# KiCad board Soldered Inkplate 4 TEMPERA with glass panel.kicad_pcb
title: Soldered Inkplate 4 TEMPERA with glass panel; date: 2023-11-13; rev: V1.2.0.; company: SOLDERED; note: 333308
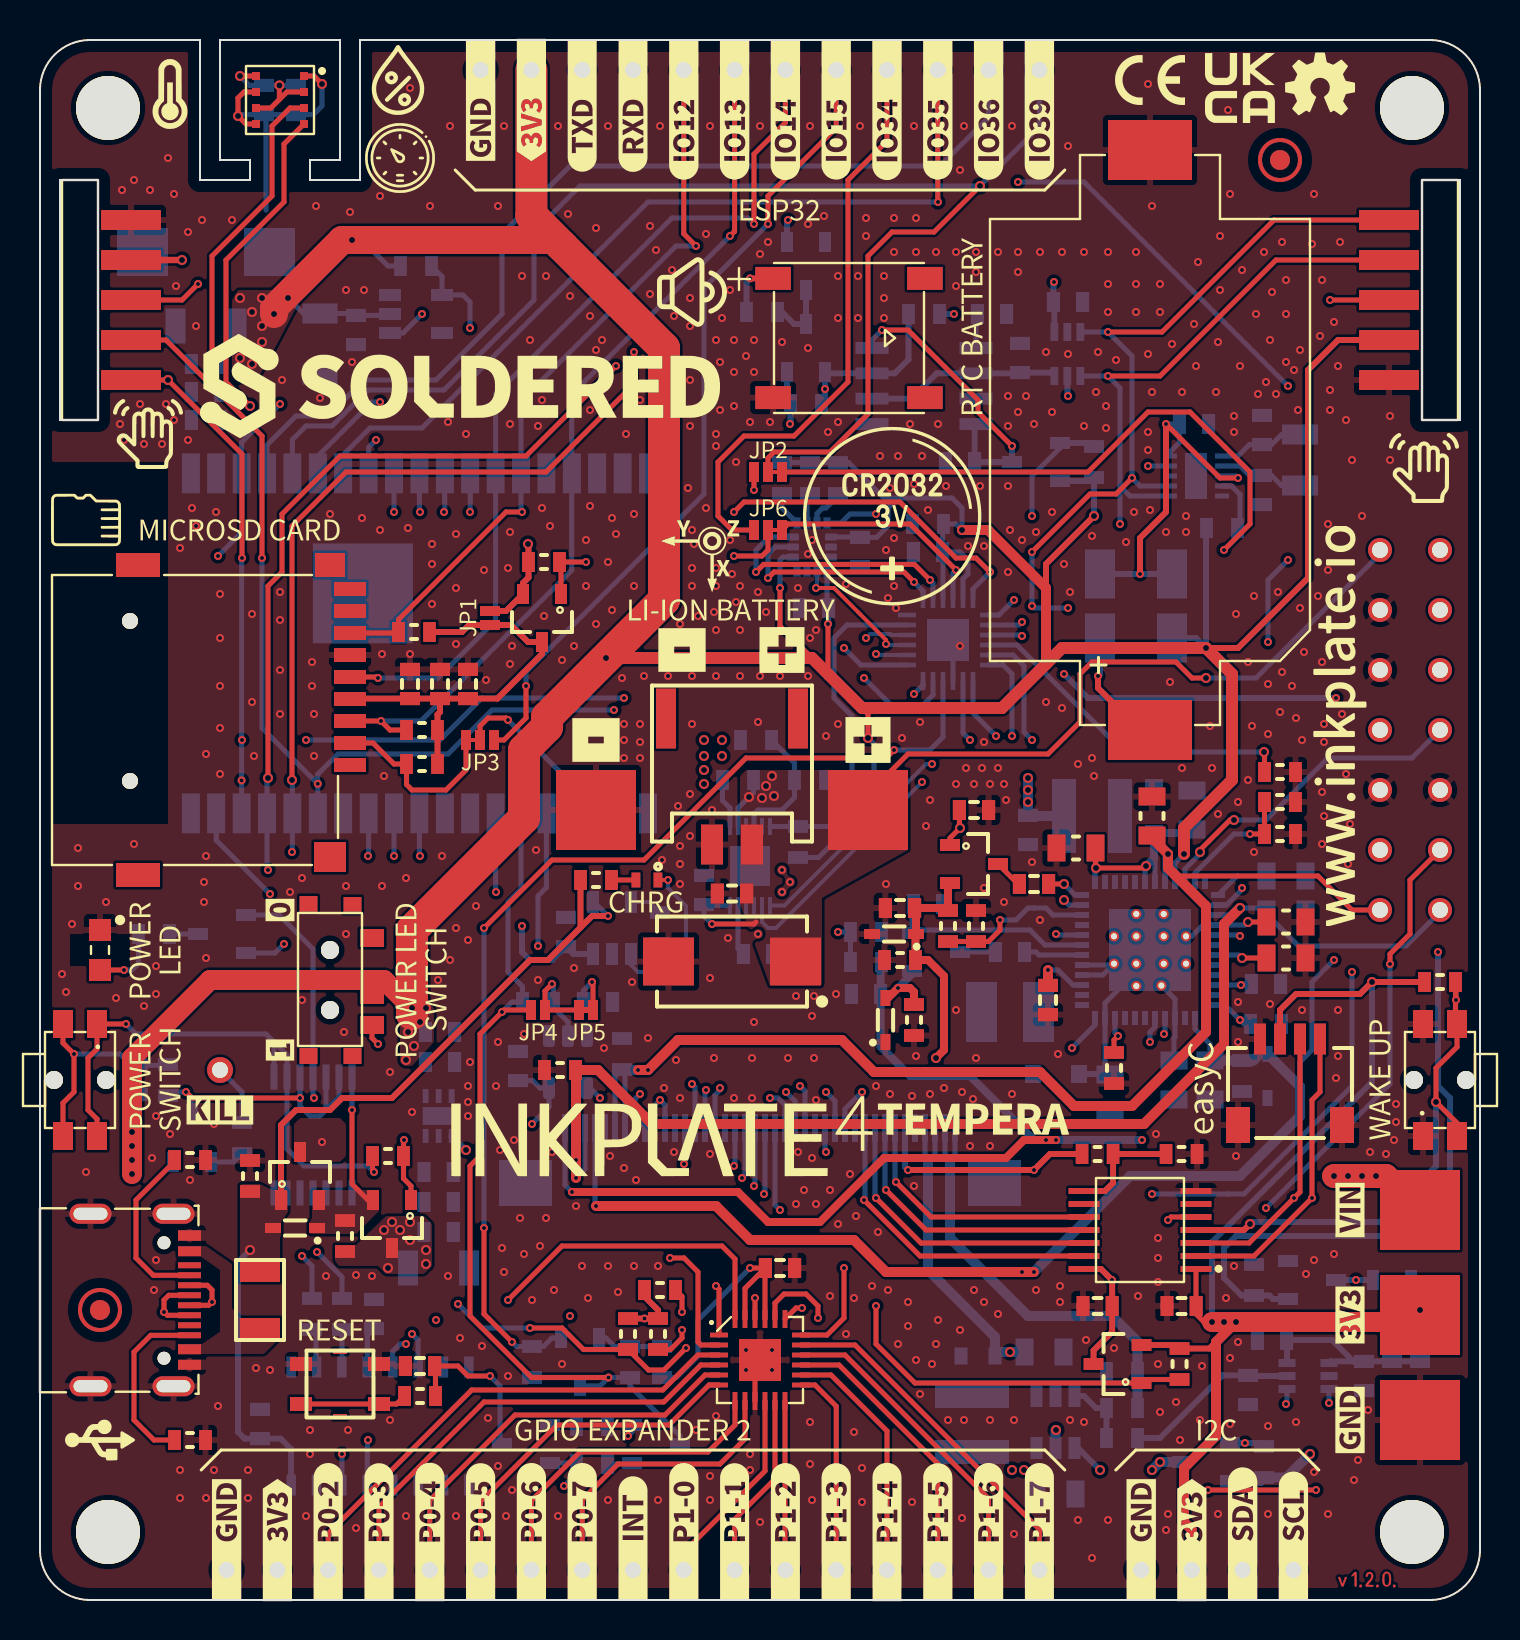
[diagram p0: board, top side]
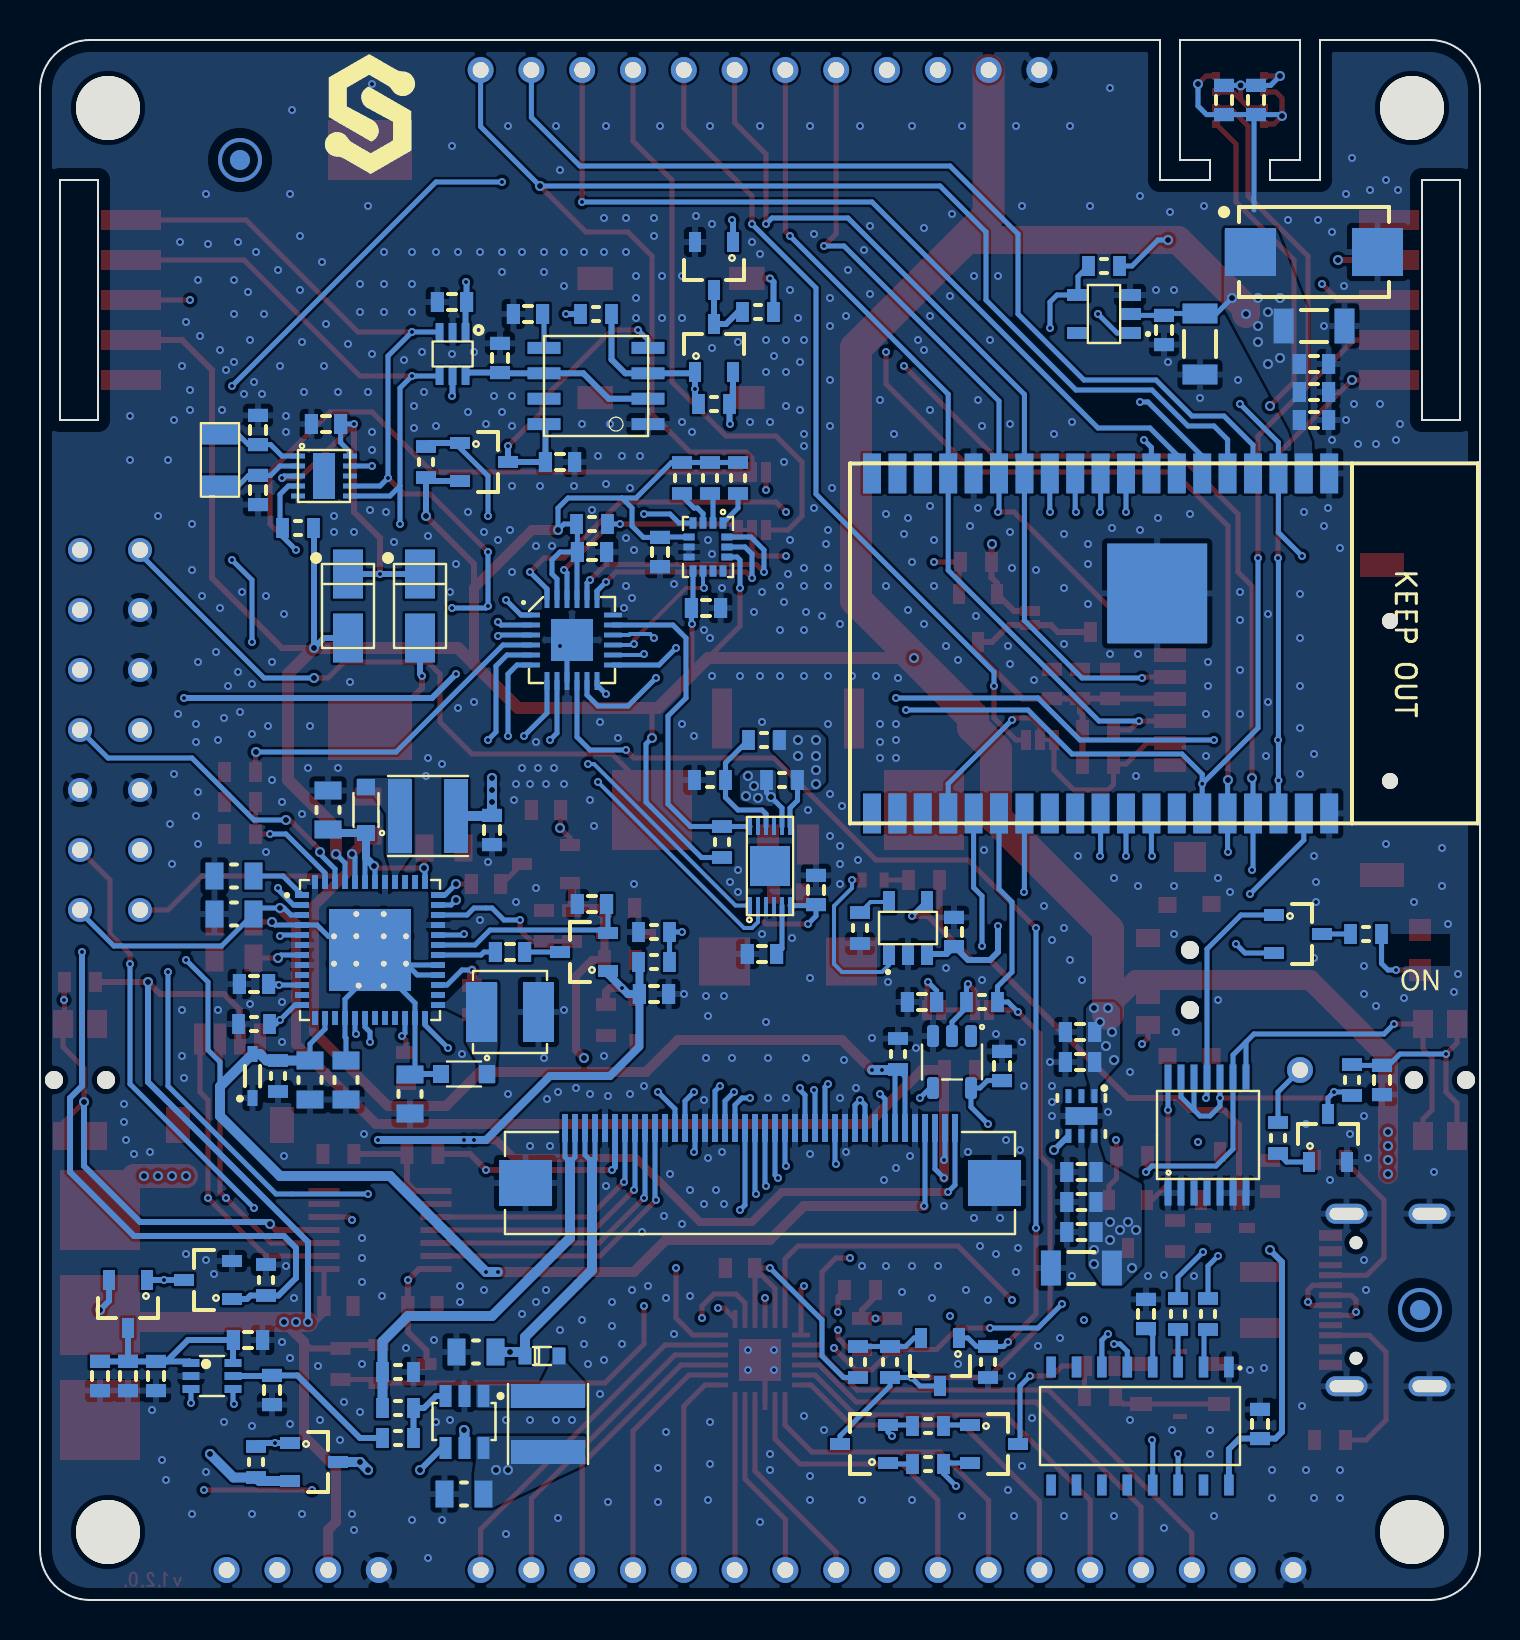
[diagram p1: board, bottom side, seen from below]

Outline 72 x 78 mm; copper layers: Top, In1.Cu, In2.Cu, Bottom. Coordinates in mm from the lower left corner of the outline.
Outline path: 0,75.5 arc(0.73,77.27) 2.5,78 8,78 8,71 10.5,71 10.5,72 9,72 9,78 15,78 15,72 13.5,72 13.5,71 16,71 16,78 69.5,78 arc(71.27,77.27) 72,75.5 72,2.5 arc(71.27,0.73) 69.5,0 2.5,0 arc(0.73,0.73) 0,2.5 0,75.5 ; 1,71 1,59 2.9,59 2.9,71 1,71 ; 69.1,71 71,71 71,59 69.1,59 69.1,71
Stack: Top 0.035mm / dielectric 0.48mm FR4 er 4.5 / In1.Cu 0.035mm / dielectric 0.48mm FR4 er 4.5 / In2.Cu 0.035mm / dielectric 0.48mm FR4 er 4.5 / Bottom 0.035mm

## Placement (name value [footprint] x y rotation side)
C1  4u7-TMK212AB7475KG-T  [0805C]  62.3 36.2 180 bottom
C2  4u7-TMK212AB7475KG-T  [0805C]  62.3 34.3 180 bottom
C3  4u7-TMK212AB7475KG-T  [0805C]  62.3 33.9 180 top
C4  4u7-TMK212AB7475KG-T  [0805C]  62.3 32.1 180 top
C5  4u7-TMK212AB7475KG-T  [0805C]  53.5 25.3 90 bottom
C6  10u-GRM188R61E106KA73J  [0603C]  61.3 30.8 180 bottom
C7  4u7-TMK212AB7475KG-T  [0805C]  58.5 26 90 bottom
C8  4u7-TMK212AB7475KG-T  [0805C]  56.7 26 90 bottom
C9  10u-GRM188R61E106KA73J  [0603C]  50.4 30 90 top
C10  10u-GRM188R61E106KA73J  [0603C]  49.4 38.5 90 bottom
C11  4u7-TMK212AB7475KG-T  [0805C]  57.6 39.5 270 bottom
C12  4u7-TMK212AB7475KG-T  [0805C]  51.8 37.6 0 top
C13  4u7-TMK212AB7475KG-T  [0805C]  55.6 39.2 270 top
C14  2u2-GRM188R61E225MA12D  [0603C]  41.3 30.3 0 bottom
C15  2u2-GRM188R61E225MA12D  [0603C]  43 34.6 0 top
C16  10n-AC0603KRX7R8BB103  [0603C]  48.5 32.4 0 bottom
C17  10n-AC0603KRX7R8BB103  [0603C]  49.7 35.8 180 top
C18  100n-AC0603KRX7R8BB104  [0603C]  44.4 34.8 180 bottom
C19  100n-AC0603KRX7R8BB104  [0603C]  46.7 39.5 180 top
C20  10u  [1206C]  19.93 16.6 180 bottom
C21  2u2  [0603C]  19.93 18.4 180 bottom
C22  100n  [0603C]  19.93 19.9 180 bottom
C23  100n  [0603C]  19.93 21.4 180 bottom
C24  2u2  [0603C]  20 28.4 180 bottom
C25  10u  [1206C]  14 62.8 90 bottom
C26  100n  [0603C]  20 26.9 180 bottom
C27  100n  [0603C]  15.8 63.5 90 bottom
C28  470n  [0603C]  35.9 32.3 0 bottom
C29  1u  [0603C]  33.2 35.5 270 bottom
C30  DNP  [2917C]  34.6 31.92 180 top
C31  2u2  [0603C]  34.6 35.33 0 top
C32  100n  [0603C]  11 8.8 270 bottom
C33  100n  [0603C]  16.7 14.3 270 bottom
C34  2u2  [0603C]  19 11.7 0 top
C35  100n  [0603C]  4.9 26 90 bottom
C36  12p  [0603C]  61.1 58.5 270 bottom
C37  12p  [0603C]  61.1 55.5 90 bottom
C38  100n  [0603C]  57.7 58.8 180 bottom
C39  2u2  [0603C]  21.4 45.8 270 top
C40  100n  [0603C]  20 45.8 270 top
C41  100n  [0603C]  18.5 45.8 270 top
C42  100n  [0603C]  57.08 14.7 0 top
C43  4u7  [0603C]  69 11.2 270 bottom
C44  1u  [0603C]  67.6 11.2 270 bottom
C45  100n  [0603C]  66.2 11.2 270 bottom
C46  100p  [0603C]  27.9 29.9 180 bottom
C47  100n  [0603C]  61.6 13 0 bottom
C48  100n  [0603C]  60.4 10.5 90 bottom
C49  100n  [0603C]  52.88 14.7 180 top
C50  CL21B105KBFNNNG  [0805C]  50.2 12.4 180 bottom
C51  100n  [0603C]  23.9 26.7 270 bottom
C52  CL21B105KBFNNNG  [0805C]  50.8 5.3 180 bottom
C53  100n  [0603C]  44.4 52.4 0 bottom
C54  DNP  [2917C]  8.3 67.4 180 bottom
C55  10u  [1206C]  8.3 63.7 0 bottom
C56  2u2  [0603C]  8.3 61.8 0 bottom
C57  100n  [0603C]  8.3 60.4 0 bottom
C58  100n  [0603C]  8.3 59 0 bottom
C59  100n  [0603C]  37 16.6 180 top
C60  100n  [0603C]  51.4 64.9 180 bottom
C61  100n  [0603C]  41 52.4 90 bottom
C62  100n  [0603C]  49 62.1 270 bottom
C63  100n  [0603C]  38.7 49.6 0 bottom
C64  100n  [0603C]  11.2 75 90 bottom
C65  100n  [0603C]  12.8 75 90 bottom
C66  100n  [0603C]  46 56.9 0 bottom
C67  2u2  [0603C]  26.3 33.4 270 bottom
C68  100n  [0603C]  47.6 64.3 180 bottom
D1  CUS10F30,H3F  [SOD-323-2]  50.8 26.3 0 bottom
D2  CUS10F30,H3F  [SOD-323-2]  55.7 39.5 90 bottom
D3  BAT20J  [SOD-323]  42.7 33.3 180 top
D4  BAT20J  [SOD-323]  61.37 26.2 90 bottom
D5  BAT20J  [SOD-323]  42.27 29 90 top
D6  BAT54S  [SOT-23-3]  44.8 32.4 180 bottom
D7  BAT54S  [SOT-23-3]  46.7 36.8 180 top
D8  RED  [0402LED]  30.34 36 180 top
D9  0603LED_SIDE  [LTST-S270GKT]  3 32.5 90 top
D10  BAT20J  [SOD-323]  12.75 18.6 180 top
D11  -  [M4_DIODA]  56.6 49.7 90 bottom
D12  -  [M4_DIODA]  53 49.7 90 bottom
D13  RB510SM-40FHT2R  [SOD-523]  46.9 12.2 90 bottom
F1  1206FUSE-500mA  [1206FUSE]  11 15 270 top
FD1  FIDUCIAL  [FIDUCIAL_23]  3 14.5 0 top
FD2  FIDUCIAL  [FIDUCIAL_23]  62 72 0 top
FD3  FIDUCIAL  [FIDUCIAL_23]  62 72 180 bottom
FD4  FIDUCIAL  [FIDUCIAL_23]  3 14.5 180 bottom
G***  LOGO  [Symbol-Front-Gesture]  69.2 56.6 0 top
G***#2  LOGO  [Logo-Front-OSH-3.5mm]  64 75.8 0 top
G***#3  LOGO  [Symbol-Front-Temperature]  6.5 75.3 0 top
G***#4  LOGO  [Symbol-Front-Speaker]  32.6 65.4 0 top
G***#5  LOGO  [Symbol-Front-Gesture]  5.4 58.3 0 top
G***#6  LOGO  [Logo-Back-Soldered-6mm]  55.5 74.3 0 top
G***#7  LOGO  [Symbol-Front-Humidity]  17.9 76 0 top
G***#8  LOGO  [Logo-Front-easyC-NewFont]  58.2 25.6 90 top
G***#9  LOGO  [Symbol-Front-USB]  3 8 270 top
G***#10  LOGO  [Symbol-Front-SDcard]  2.3 54 270 top
G***#11  LOGO  [Symbol-front-Pressure]  18 72.1 0 top
H1  -  [HOLE_3.2mm]  3.4 3.4 0 top
H2  -  [HOLE_3.2mm]  3.4 74.6 0 top
H3  -  [HOLE_3.2mm]  68.6 74.6 0 top
H4  -  [HOLE_3.2mm]  68.6 3.4 0 top
JP1  -  [SMD_JUMPER]  22.5 49.1 90 top
JP2  -  [SMD_JUMPER_3_PAD_CONNECTED_RIGHT_TRACE]  36.4 56.4 0 top
JP3  -  [SMD_JUMPER_3_PAD_CONNECTED_LEFT_TRACE]  22 43 0 top
JP4  -  [SMD_JUMPER]  24.9 29.5 0 top
JP5  -  [SMD-JUMPER-CONNECTED_TRACE_SOLDERMASK]  27.3 29.5 0 top
JP6  -  [SMD_JUMPER_3_PAD_CONNECTED_LEFT_TRACE]  36.4 53.5 180 top
K1  Inkplate_TP  [INKPLATE TEST HEADER]  68.5 43.5 180 top
K2  -  [U262-161N-4BVC11]  3 15 90 top
K3  -  [JST-2pin-SMD]  34.6 40.92 0 top
K4  easyC-SMD  [easyC-connector]  62.5 25.9 180 top
K5  -  [HEADER_MALE_1X1_Inkplate]  57.59 1.5 90 top
K6  -  [HEADER_MALE_1X1_Inkplate]  62.67 1.5 90 top
K7  -  [HEADER_MALE_1X1_Inkplate]  60.13 1.5 90 top
K8  -  [HEADER_MALE_1X1_Inkplate]  55.06 1.5 90 top
K9  -  [HEADER_MALE_1X1_Inkplate]  9 26.5 0 top
K10  -  [HYC77-TF09-200]  10 44 270 top
K11  CR2032_BS-6-1  [CR2032-BS-6-1]  55.5 58 270 top
K12  -  [62684-401100AHLF]  36 22 180 bottom
K13  -  [HEADER_MALE_1X1_Inkplate]  24.57 76.5 0 top
K14  -  [HEADER_MALE_1X1_Inkplate]  22.03 76.5 0 top
K15  -  [HEADER_MALE_1X1_Inkplate]  44.89 76.5 0 top
K16  -  [HEADER_MALE_1X1_Inkplate]  27.11 76.5 0 top
K17  -  [HEADER_MALE_1X1_Inkplate]  42.35 76.5 0 top
K18  -  [HEADER_MALE_1X1_Inkplate]  29.65 76.5 0 top
K19  -  [HEADER_MALE_1X1_Inkplate]  37.27 76.5 0 top
K20  -  [HEADER_MALE_1X1_Inkplate]  32.19 76.5 0 top
K21  -  [HEADER_MALE_1X1_Inkplate]  34.73 76.5 0 top
K22  -  [HEADER_MALE_1X1_Inkplate]  11.87 1.5 0 top
K23  -  [HEADER_MALE_1X1_Inkplate]  9.33 1.5 0 top
K24  -  [HEADER_MALE_1X1_Inkplate]  49.97 76.5 0 top
K25  -  [HEADER_MALE_1X1_Inkplate]  47.43 76.5 0 top
K26  -  [HEADER_MALE_1X1_Inkplate]  14.41 1.5 0 top
K27  -  [HEADER_MALE_1X1_Inkplate]  16.95 1.5 0 top
K28  -  [HEADER_MALE_1X1_Inkplate]  19.49 1.5 0 top
K29  -  [HEADER_MALE_1X1_Inkplate]  22.03 1.5 0 top
K30  -  [HEADER_MALE_1X1_Inkplate]  24.57 1.5 0 top
K31  -  [HEADER_MALE_1X1_Inkplate]  27.11 1.5 0 top
K32  -  [HEADER_MALE_1X1_Inkplate]  39.81 76.5 0 top
K33  -  [HEADER_MALE_1X1_Inkplate]  32.19 1.5 0 top
K34  -  [HEADER_MALE_1X1_Inkplate]  34.73 1.5 0 top
K35  -  [HEADER_MALE_1X1_Inkplate]  37.27 1.5 0 top
K36  -  [HEADER_MALE_1X1_Inkplate]  39.81 1.5 0 top
K37  -  [HEADER_MALE_1X1_Inkplate]  42.35 1.5 0 top
K38  -  [HEADER_MALE_1X1_Inkplate]  44.89 1.5 0 top
K39  -  [HEADER_MALE_1X1_Inkplate]  47.43 1.5 0 top
K40  -  [HEADER_MALE_1X1_Inkplate]  49.97 1.5 0 top
K41  -  [HEADER_MALE_1X1_Inkplate]  29.65 1.5 0 top
K42  -  [APDS_connector]  2 65 180 top
K43  -  [APDS_connector]  70 65 0 top
kibuzzard-64512AB1  G***  [kibuzzard-64512AB1]  3 31 180 bottom
kibuzzard-64512B49  G***  [kibuzzard-64512B49]  10 53.5 0 top
kibuzzard-64512B72  G***  [kibuzzard-64512B72]  34.6 49.5 0 top
kibuzzard-64512C11  G***  [kibuzzard-64512C11]  41.4 43 0 top
kibuzzard-64512C11#2  G***  [kibuzzard-64512C11]  37.1 47.5 0 top
kibuzzard-64512D1C  G***  [kibuzzard-64512D1C]  32.1 47.5 0 top
kibuzzard-64512D4A  G***  [kibuzzard-64512D4A]  27.8 43 0 top
kibuzzard-64520B3A  G***  [kibuzzard-64520B3A]  21.4 49.1 90 top
kibuzzard-64520C0D  G***  [kibuzzard-64520C0D]  22 41.9 0 top
kibuzzard-64520C04  G***  [kibuzzard-64520C04]  36.4 57.5 0 top
kibuzzard-64520C4C  G***  [kibuzzard-64520C4C]  36.4 54.6 0 top
kibuzzard-64520C12  G***  [kibuzzard-64520C12]  24.9 28.4 0 top
kibuzzard-64520C17  G***  [kibuzzard-64520C17]  27.3 28.4 0 top
kibuzzard-645123A1  G***  [kibuzzard-645123A1]  27.11 3.4 90 top
kibuzzard-645123AC  G***  [kibuzzard-645123AC]  32.19 3.4 90 top
kibuzzard-645123B6  G***  [kibuzzard-645123B6]  34.73 3.4 90 top
kibuzzard-645123BC  G***  [kibuzzard-645123BC]  37.27 3.4 90 top
kibuzzard-645123C5  G***  [kibuzzard-645123C5]  39.81 3.4 90 top
kibuzzard-645123CE  G***  [kibuzzard-645123CE]  42.35 3.4 90 top
kibuzzard-645123D4  G***  [kibuzzard-645123D4]  44.89 3.4 90 top
kibuzzard-645123DC  G***  [kibuzzard-645123DC]  47.43 3.4 90 top
kibuzzard-645123EA  G***  [kibuzzard-645123EA]  49.97 3.4 90 top
kibuzzard-645124AF  G***  [kibuzzard-645124AF]  60.13 3.3 90 top
kibuzzard-645124B9  G***  [kibuzzard-645124B9]  62.67 3.2 90 top
kibuzzard-645127A4  G***  [kibuzzard-645127A4]  49.97 74.5 90 top
kibuzzard-645128FD  G***  [kibuzzard-645128FD]  9 24.5 0 top
kibuzzard-645131B8  G***  [kibuzzard-645131B8]  18.3 31 90 top
kibuzzard-645131C7  G***  [kibuzzard-645131C7]  19.8 31 90 top
kibuzzard-645131F6  G***  [kibuzzard-645131F6]  12 34.5 90 top
kibuzzard-6451239C  G***  [kibuzzard-6451239C]  24.57 3.4 90 top
kibuzzard-6451240C  G***  [kibuzzard-6451240C]  29.65 3.1 90 top
kibuzzard-6451271A  G***  [kibuzzard-6451271A]  24.57 75 90 top
kibuzzard-6451277D  G***  [kibuzzard-6451277D]  39.81 74.5 90 top
kibuzzard-6451279E  G***  [kibuzzard-6451279E]  47.43 74.5 90 top
kibuzzard-6451295E  G***  [kibuzzard-6451295E]  5 32.5 90 top
kibuzzard-6451296B  G***  [kibuzzard-6451296B]  6.5 32.5 90 top
kibuzzard-6451340C  G***  [kibuzzard-6451340C]  30.3 34.9 0 top
kibuzzard-6451362A  G***  [kibuzzard-6451362A]  65.5 9 90 top
kibuzzard-6452051E  G***  [kibuzzard-6452051E]  58.86 8.5 0 top
kibuzzard-6452052E  G***  [kibuzzard-6452052E]  37 69.5 0 top
kibuzzard-6452053F  G***  [kibuzzard-6452053F]  29.65 8.5 0 top
kibuzzard-64512320  G***  [kibuzzard-64512320]  55.06 3 90 top
kibuzzard-64512320#2  G***  [kibuzzard-64512320]  9.33 3 90 top
kibuzzard-64512330  G***  [kibuzzard-64512330]  57.59 3 90 top
kibuzzard-64512330#2  G***  [kibuzzard-64512330]  11.87 3 90 top
kibuzzard-64512363  G***  [kibuzzard-64512363]  14.41 3.4 90 top
kibuzzard-64512372  G***  [kibuzzard-64512372]  16.95 3.4 90 top
kibuzzard-64512390  G***  [kibuzzard-64512390]  19.49 3.4 90 top
kibuzzard-64512397  G***  [kibuzzard-64512397]  22.03 3.4 90 top
kibuzzard-64512700  G***  [kibuzzard-64512700]  22.03 75 90 top
kibuzzard-64512737  G***  [kibuzzard-64512737]  27.11 74.7 90 top
kibuzzard-64512746  G***  [kibuzzard-64512746]  29.65 74.7 90 top
kibuzzard-64512759  G***  [kibuzzard-64512759]  32.19 74.5 90 top
kibuzzard-64512767  G***  [kibuzzard-64512767]  34.73 74.5 90 top
kibuzzard-64512774  G***  [kibuzzard-64512774]  37.27 74.5 90 top
kibuzzard-64512789  G***  [kibuzzard-64512789]  42.35 74.5 90 top
kibuzzard-64512795  G***  [kibuzzard-64512795]  44.89 74.5 90 top
kibuzzard-64512953  G***  [kibuzzard-64512953]  5 26 90 top
kibuzzard-64512975  G***  [kibuzzard-64512975]  6.5 26 90 top
kibuzzard-64513203  G***  [kibuzzard-64513203]  12 27.5 90 top
kibuzzard-64513277  G***  [kibuzzard-64513277]  46.6 63.7 90 top
kibuzzard-64513453  G***  [kibuzzard-64513453]  15 13.5 0 top
kibuzzard-64513617  G***  [kibuzzard-64513617]  65.5 19.5 90 top
kibuzzard-64513621  G***  [kibuzzard-64513621]  65.5 14.25 90 top
kibuzzard-64513721  G***  [kibuzzard-64513721]  67 26 90 top
L1  LQH44PN4R7MP0L  [1515L]  48.5 29.4 0 bottom
L2  NR4012T2R2M  [NR4012]  52.6 39.2 0 bottom
L3  NR4012T220M  [NR4012]  46.6 8.8 270 bottom
PAD1  -  [PAD_4x4]  41.4 39.5 0 top
PAD2  -  [PAD_4x4]  27.8 39.5 0 top
PAD3  -  [PAD_4x4]  69 19.5 270 top
PAD4  -  [PAD_4x4]  69 14.25 270 top
PAD5  -  [PAD_4x4]  69 9 270 top
Q1  DNP  [SOT-23-3]  27 11.9 90 bottom
Q2  NPN  [SOT-23-3]  24.3 7.8 0 bottom
Q3  NPN  [SOT-23-3]  30.8 7.8 180 bottom
Q4  PMOS  [SOT-23-3]  9.1 33.3 0 bottom
Q5  NPN  [SOT-23-3]  7.6 23.1 270 bottom
Q6  SSM3J358R,LF  [SOT-23-3]  17.6 18.8 90 top
Q7  SSM3J358R,LF  [SOT-23-3]  13 21.2 270 top
Q8  PMOS  [SOT-23-3]  25.1 49.1 90 top
Q9  PMOS  [SOT-23-3]  67.6 14.8 90 bottom
Q10  NMOS  [SOT-23-3]  63.6 16 180 bottom
Q11  PMOS  [SOT-23-3]  53.88 11.8 0 top
Q12  PMOS  [SOT-23-3]  58.3 6.9 0 bottom
Q13  PMOS  [SOT-23-3]  49.8 56.9 0 bottom
Q14  PMOS  [SOT-23-3]  38.3 62.6 270 bottom
Q15  NMOS  [SOT-23-3]  38.3 66.7 90 bottom
R1  10k  [0603R]  30.9 13.3 90 top
R2  10k  [0603R]  29.4 13.3 90 top
R3  100k  [0603R]  62 41.4 0 top
R4  100k  [0603R]  61.3 28.8 0 bottom
R5  100k  [0603R]  53.7 26.6 270 top
R6  4k7  [0603R]  26 26.5 180 top
R7  4k7  [0603R]  29.1 27.3 90 bottom
R8  4k7  [0603R]  43 32 0 top
R9  4k7  [0603R]  60.1 26.2 90 bottom
R10  4k7  [0603R]  43.7 29 90 top
R11  NTC-NCP18XH103F03RB  [0603R]  62 38.3 180 top
R12  43k-RC0603FR-0743KL  [0603R]  62 39.9 180 top
R13  1M  [0603R]  41.3 31.9 0 bottom
R14  52k3-RC0603FR-0752K3L  [0603R]  41.3 33.4 180 bottom
R15  1M  [0603R]  45.4 33.7 90 top
R16  47k5-RC0603FR-0747K5L  [0603R]  46.8 33.7 270 top
R17  5k1  [0603R]  7.5 8 0 top
R18  5k1  [0603R]  7.5 22 0 top
R19  1k  [0603R]  27.8 36 0 top
R20  DNP  [0603R]  24.6 11.9 90 bottom
R21  1k  [0603R]  31.1 11.9 270 bottom
R22  0R  [0603R]  29.5 11.9 90 bottom
R23  2k49  [0603R]  31 33.6 270 bottom
R24  PA0603FRE570R01L  [0603R]  34.9 41 0 bottom
R25  1M8  [0603R]  35.8 43 0 bottom
R26  DNP  [0603R]  37.9 37.9 90 bottom
R27  47k  [0603R]  18.8 66.7 180 bottom
R28  10k  [0603R]  38.5 41 0 bottom
R29  33k  [0603R]  27.6 8.7 0 bottom
R30  33k  [0603R]  27.6 6.8 180 bottom
R31  1k  [0603R]  5.7 33.3 180 bottom
R32  47R  [0603R]  19 10.2 0 top
R33  1k  [0603R]  10.1 23.1 90 bottom
R34  1k  [0603R]  15.1 14.3 90 bottom
R35  1k  [0603R]  13.6 14.3 90 bottom
R36  100k  [0603R]  17.4 22.2 0 top
R37  100k  [0603R]  6.4 26 270 bottom
R38  100k  [0603R]  10.5 21.2 270 top
R39  100k  [0603R]  25.2 51.9 0 top
R40  10k  [0603R]  59.1 53.6 180 bottom
R41  100k  [0603R]  70 30.9 180 top
R42  100k  [0603R]  19.1 41.8 0 top
R43  100k  [0603R]  19.1 43.5 0 top
R44  100k  [0603R]  18.7 48.4 0 top
R45  330R  [0603R]  24.9 29.9 0 bottom
R46  10k  [0603R]  52.88 22.3 180 top
R47  100k  [0603R]  57.08 22.3 0 top
R48  15R  [0603R]  54.1 11.4 0 bottom
R49  5k1  [0603R]  54.1 9.6 180 bottom
R50  47k  [0603R]  54.1 8.1 0 bottom
R51  100k  [0603R]  60.7 16 270 bottom
R52  100k  [0603R]  56.98 11.8 270 top
R53  100k  [0603R]  61.2 6.9 270 bottom
R54  10k  [0603R]  44.4 53.8 180 bottom
R55  10k  [0603R]  31 15.5 0 top
R56  10k  [0603R]  37.1 56.1 270 bottom
R57  10k  [0603R]  38.5 56.1 270 bottom
R58  10k  [0603R]  39.9 56.1 270 bottom
R59  2k2  [0603R]  44.2 64.3 180 bottom
R60  100k  [0603R]  52.7 56.9 90 bottom
R61  10k  [0603R]  38.3 59.8 180 bottom
R62  22  [0603R]  36.1 64.4 180 bottom
R63  DNP  [0603R]  15.25 18.2 90 top
REF**  -  [Symbol-Front-CR2032]  42.6 54.2 0 top
REF**#2  -  [Version1.2.0]  66.4 1 0 top
REF**#3  -  [Logo-Front-UKCA-3.5mm]  60 75.6 0 top
REF**#4  -  [Logo-Front-SolderedFULL-26mm]  21 60.7 0 top
REF**#5  -  [Logo-Front-Inkplate-4-TEMPERA]  36 23.2 0 top
REF**#6  -  [Logo-Front-InkplateWebPage-20mm]  65 43.7 90 top
REF**#7  -  [Logo-Front-CE-3.5mm]  55.5 76 0 top
REF**#8  -  [Symbol-Front-Orientation4_4mm]  33 52.2 0 top
S1  -  [SK-3296S-01-L1]  14.5 31 90 top
SW1  -  [YTSA007A0151803B]  15 10.8 0 top
SW2  -  [K2-1114SA-A4SW-06]  2 26 270 top
SW3  -  [K2-1114SA-A4SW-06]  70 26 90 top
U1  TPS65186RGZR  [VQFN-49_V2]  55.5 32.5 180 bottom
U2  MCP73831T  [SOT-23-5]  28.6 33.6 270 bottom
U3  -  [TPS7A2633DRVR]  19.93 24.2 270 bottom
U4  TPS3840PL27DBVR  [SOT-23-5]  18.8 64.3 180 bottom
U5  BQ27441DRZR-G1A  [BQ27441]  35.5 36.7 0 bottom
U6  CH340C  [SOP-16]  17 8.7 270 bottom
U7  MC14093BDTR2G  [TSSOP-14]  13.6 23.3 180 bottom
U8  -  [PCF85063A]  57.8 56.2 180 bottom
U9  MCP47A1  [MCP47A1-SOT23-6]  63.4 11.2 180 bottom
U10  -  [TXS0104EPWR]  55 18.5 180 top
U11  -  [SN74LVC1G34DBV]  26.4 26.9 270 bottom
U12  AP5726WG-7  [SOT26]  50.78 8.9 0 bottom
U13  -  [PCAL6416AHF,128]  45.4 48 180 bottom
U14  -  [ESP32-WROVER]  15.8 51 0 bottom
U15  -  [PCAL6416AHF,128]  36 12 0 top
U16  MCP4017T-103E/LT  [SC70-6]  51.37 62.3 270 bottom
U17  LSM6DS3TR  [LSM6DSO32TR]  38.6 52.65 270 bottom
U18  TLC555CDR  [SOIC−8]  44.2 60.7 90 bottom
U19  -  [BME688]  12 75 0 top
U20  -  [MLT-7525]  40.45 63.1 0 top
X1  7LC32768F12UC  [ABS07AIG-32.768KHZ-7-D-T]  63 57 270 bottom

## Library data of the parts
D8 = -: Package: 0402

## Footprints (pads in the part's own frame, mm; a bottom-side part is the same pattern mirrored in y, then rotated)
0402LED
  rect 0.45x0.75 smd: 1(0.55,0) 2(-0.55,0)
0603C
  rect 0.66x1 smd: 1(-0.73,0) 2(0.73,0)
0603R
  rect 0.64x1 smd: 1(-0.775,0) 2(0.775,0)
0805C
  rect 0.9x1.35 smd: 1(-0.975,0) 2(0.975,0)
1206C
  rect 1x1.75 smd: 1(-1.525,0) 2(1.525,0)
1206FUSE
  rect 1x2 smd: 1(-1.4,0) 2(1.4,0)
1515L
  rect 1.55x3 smd: 1(-1.425,0) 2(1.425,0)
2917C
  rect 2.55x2.4 smd: 1(-3.175,0) 2(3.175,0)
62684-401100AHLF
  rect 0.3x1.4 smd: 1(-9.75,1.6) 2(-9.25,1.6) 3(-8.75,1.6) 4(-8.25,1.6) 5(-7.75,1.6) 6(-7.25,1.6) 7(-6.75,1.6) 8(-6.25,1.6) 9(-5.75,1.6) 10(-5.25,1.6) 11(-4.75,1.6) 12(-4.25,1.6) 13(-3.75,1.6) 14(-3.25,1.6) 15(-2.75,1.6) 16(-2.25,1.6) 17(-1.75,1.6) 18(-1.25,1.6) 19(-0.75,1.6) 20(-0.25,1.6) 21(0.25,1.6) 22(0.75,1.6) 23(1.25,1.6) 24(1.75,1.6) 25(2.25,1.6) 26(2.75,1.6) 27(3.25,1.6) 28(3.75,1.6) 29(4.25,1.6) 30(4.75,1.6) 31(5.25,1.6) 32(5.75,1.6) 33(6.25,1.6) 34(6.75,1.6) 35(7.25,1.6) 36(7.75,1.6) 37(8.25,1.6) 38(8.75,1.6) 39(9.25,1.6) 40(9.75,1.6)
  rect 2.65x2.3 smd: 41(-11.725,-1.15) 41(11.725,-1.15)
ABS07AIG-32.768KHZ-7-D-T
  rect 1x1.8 smd: 1(-1.275,0) 2(1.275,0)
APDS_connector
  rect 3x1 smd: 1(-2.55,4) 2(-2.55,2) 3(-2.55,0) 4(-2.55,-2) 5(-2.55,-4)
BME688
  rect 0.4x0.4 smd: 1(1.2,1.2) 2(1.2,0.4) 3(1.2,-0.4) 4(1.2,-1.2) 5(-1.2,-1.2) 6(-1.2,-0.4) 7(-1.2,0.4) 8(-1.2,1.2)
BQ27441
  rect 2x2 smd: (0,0)
  rect 0.2x0.85 smd: 1(1,1.975) 2(0.6,1.975) 3(0.2,1.975) 4(-0.2,1.975) 5(-0.6,1.975) 6(-1,1.98) 7(-1,-1.975) 8(-0.6,-1.975) 9(-0.2,-1.975) 10(0.2,-1.975) 11(0.6,-1.975) 12(1,-1.975)
CR2032-BS-6-1
  rect 3x4.2 smd: +(14.5,0) -(-14.5,0)
easyC-connector
  rect 0.6x1.55 smd: 1(-1.5,-2.15) 2(-0.5,-2.15) 3(0.5,-2.15) 4(1.5,-2.15)
  rect 1.2x1.8 smd: 5(-2.6,2.15) 5(2.6,2.15)
ESP32-WROVER
  rect 0.9x2 smd: 1(-8.26,-5.33) 2(-6.99,-5.33) 3(-5.72,-5.33) 4(-4.45,-5.33) 5(-3.18,-5.33) 6(-1.91,-5.33) 7(-0.64,-5.33) 8(0.63,-5.33) 9(1.9,-5.33) 10(3.17,-5.33) 11(4.44,-5.33) 12(5.71,-5.33) 13(6.98,-5.33) 14(8.25,-5.33) 15(9.52,-5.33) 16(10.79,-5.33) 17(12.06,-5.33) 18(13.33,-5.33) 19(14.6,-5.33) 20(14.6,11.67) 21(13.33,11.67) 22(12.06,11.67) 23(10.79,11.67) 24(9.52,11.67) 25(8.25,11.67) 26(6.98,11.67) 27(5.71,11.67) 28(4.44,11.67) 29(3.17,11.67) 30(1.9,11.67) 31(0.63,11.67) 32(-0.64,11.67) 33(-1.91,11.67) 34(-3.18,11.67) 35(-4.45,11.67) 36(-5.72,11.67) 37(-6.99,11.67) 38(-8.26,11.67)
  rect 5x5 smd: 39(0.34,0.67)
FIDUCIAL_23
  round 1 smd: 1(0,0)
HEADER_MALE_1X1_Inkplate
  round 1.3 hole 0.8: 1(0,0)
HOLE_3.2mm
  round 3.2 hole 3.2 unplated: (0,0)
HYC77-TF09-200
  round 0.8 hole 1 unplated: (-4.95,-5.5) (3.05,-5.5)
  rect 0.7x1.6 smd: 1(2.25,5.5) 2(1.15,5.5) 3(0.05,5.5) 4(-1.05,5.5) 5(-2.15,5.5) 6(-3.25,5.5) 7(-4.35,5.5) 8(-5.45,5.5) CD(-6.55,5.5)
  rect 1.2x2.2 smd: 12(7.75,-5.1) MNT(-7.75,-5.1)
  rect 1.2x1.5 smd: MNT(-7.75,4.5)
  rect 1.5x1.6 smd: MNT(6.85,4.5)